# Altium PCB mainboard.PcbDoc (part 6 of 7)
Units mm, origin at the board's own origin, x right, y up, seen from the top; angles counter-clockwise.
Board outline 298.75 x 332.5 mm, 4 copper layers (Top, Ground, Power, Bottom), stack 0.844 mm thick; 349 components, 403 nets, 3466 pads, 640 vias.
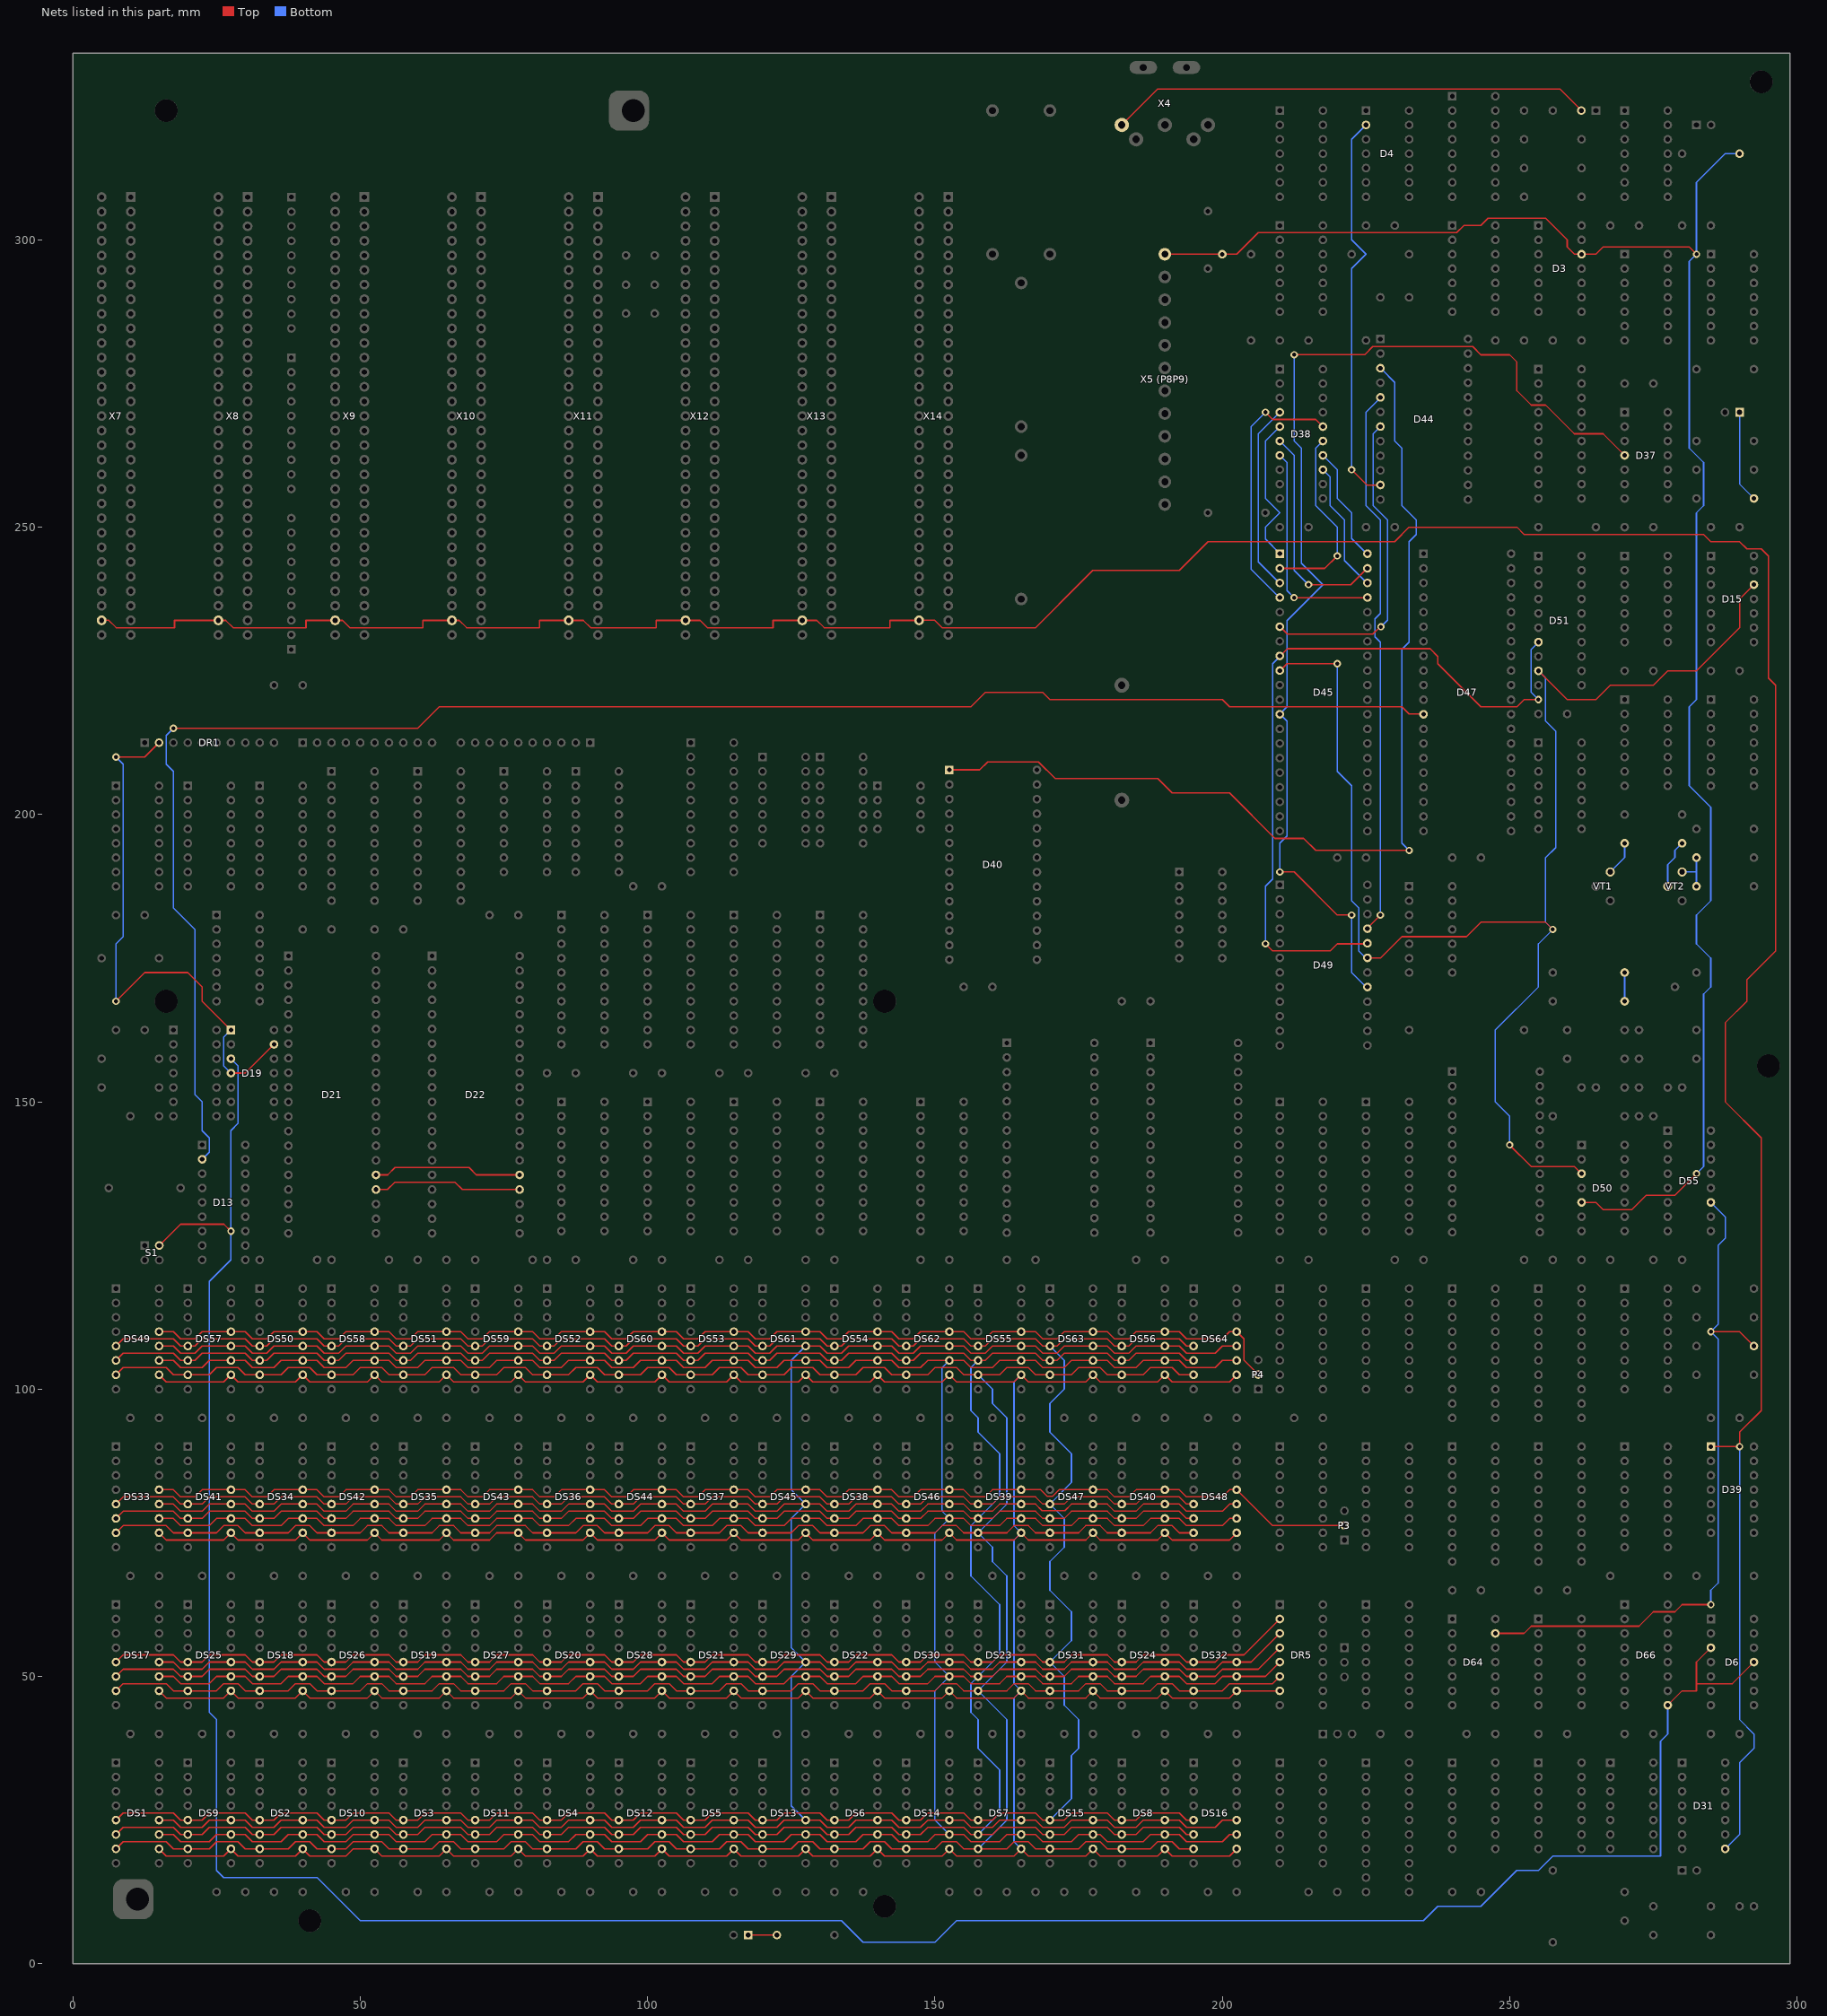
[diagram p8: the nets of this part, all layers, seen from the top]

## Via types
v1: diameter 1.27, hole 0.711, Top to Bottom, tented both sides, 640 vias

## Nets (pads, with @x,y where several pads share a name; then routed paths per layer and width w, separated by ;. In a path a pad name is that pad's centre, name@x,y a point inside that pad or via, vN(x,y) a via of type N, cw(c..) or ccw(c..) an arc to the next point about the centre after c; other vN are vias at no path point) (continued)
NetDS33_13: DS33.13 DS34.13 DS35.13 DS36.13 DS37.13 DS38.13 DS39.13 DS40.13 DS41.13 DS42.13 DS43.13 DS44.13 DS45.13 DS46.13 DS47.13 DS48.13 P3.2 | length 224.3
  Top w0.254: DS33.13@14.998,82.5 17.498,82.5 18.748,81.25 21.248,81.25 22.498,82.5 DS41.13@27.498,82.5 29.998,82.5 31.248,81.25 33.748,81.25 34.998,82.5 DS34.13@39.998,82.5 42.498,82.5 43.748,81.25 46.248,81.25 47.498,82.5 DS42.13@52.498,82.5 54.998,82.5 56.248,81.25 58.748,81.25 59.998,82.5 DS35.13@64.998,82.5 67.498,82.5 68.748,81.25 71.248,81.25 72.498,82.5 DS43.13@77.498,82.5 79.998,82.5 81.248,81.25 83.748,81.25 84.998,82.5 DS36.13@89.998,82.5 92.498,82.5 93.748,81.25 96.248,81.25 97.498,82.5 DS44.13@102.498,82.5 104.998,82.5 106.248,81.25 108.748,81.25 109.998,82.5 DS37.13@114.998,82.5 117.498,82.5 118.748,81.25 121.248,81.25 122.498,82.5 DS45.13@127.498,82.5 129.998,82.5 131.248,81.25 133.748,81.25 134.998,82.5 DS38.13@139.998,82.5 142.498,82.5 143.748,81.25 146.248,81.25 147.498,82.5 DS46.13@152.498,82.5 154.998,82.5 156.248,81.25 158.748,81.25 159.998,82.5 DS39.13@164.998,82.5 168.399,82.5 169.53,81.369 170.466,81.369 171.597,82.5 DS47.13@177.498,82.5 179.998,82.5 181.248,81.25 183.748,81.25 184.998,82.5 DS40.13@189.998,82.5 192.498,82.5 193.748,81.25 199.998,81.25 201.248,82.5 DS48.13@202.498,82.5 208.748,76.25 220,76.25 P3.2@221.25,76.25
NetDS49_13: DS49.13 DS50.13 DS51.13 DS52.13 DS53.13 DS54.13 DS55.13 DS56.13 DS57.13 DS58.13 DS59.13 DS60.13 DS61.13 DS62.13 DS63.13 DS64.13 P4.2 | length 212
  Top w0.254: DS49.13@14.998,110 17.498,110 18.748,108.75 21.248,108.75 22.498,110 DS57.13@27.498,110 29.998,110 31.248,108.75 33.748,108.75 34.998,110 42.498,110 43.748,108.75 46.248,108.75 47.498,110 DS58.13@52.498,110 54.998,110 56.248,108.75 58.748,108.75 59.998,110 DS51.13@64.998,110 67.498,110 68.748,108.75 71.248,108.75 72.498,110 DS59.13@77.498,110 79.998,110 81.248,108.75 83.748,108.75 84.998,110 DS52.13@89.998,110 92.498,110 93.748,108.75 96.248,108.75 97.498,110 DS60.13@102.498,110 104.998,110 106.248,108.75 108.748,108.75 109.998,110 DS53.13@114.998,110 117.498,110 118.748,108.75 121.248,108.75 122.498,110 DS61.13@127.498,110 129.998,110 131.248,108.75 133.748,108.75 134.998,110 DS54.13@139.998,110 142.498,110 143.748,108.75 146.248,108.75 147.498,110 DS62.13@152.498,110 154.998,110 156.248,108.75 158.748,108.75 159.998,110 DS55.13@164.998,110 167.498,110 168.748,108.75 171.248,108.75 172.498,110 DS63.13@177.498,110 179.998,110 181.248,108.75 183.748,108.75 184.998,110 DS56.13@189.998,110 192.498,110 193.748,108.75 199.998,108.75 201.248,110 DS64.13@202.498,110 203.748,108.75 203.748,105.04 P4.2@206.248,102.54
NetR18_1: R18.1 VT2.C | length 8.5
  Bottom w0.254: VT2.C@277.498,187.5 277.498,191.25 278.748,192.5 278.748,193.75 R18.1@279.998,195
NetR18_2: R18.2 VT1.B | length 6
  Bottom w0.254: VT1.B@267.498,190 269.998,192.5 R18.2@269.998,195
NetR19_2: R19.2 X2(SPEAKER).1 | length 16
  Bottom w0.254: 289.998,270 289.998,257.5 R19.2@292.498,255
NetR20_1: R20.1 R21.1 VT2.B | length 7.5
  Bottom w0.254: VT2.B@279.998,190 282.498,190 ; R21.1@282.498,187.5 R20.1@282.498,192.5
NetR37_1: "POWER LED.1" R37.1 | length 5
  Top w0.254: 117.498,5 R37.1@122.498,5
NetVD1_A: VD1.A VD2.K | length 5
  Bottom w0.254: VD1.A@269.998,167.5 VD2.K@269.998,172.5
NetX3_2: X3(KEYBLOCK).2 X4.1 | length 84.1
  Top w0.254: X4.1@182.498,320 188.748,326.25 258.748,326.25 262.458,322.54 262.458,322.5
NMIS/: D4.2 D44.11 | length 69.3
  Top w0.254: v1(222.498,260) 225.196,257.302 227.3,257.302 D44.11@227.498,257.5
  Bottom w0.254: v1(222.498,260) 222.498,295 224.998,297.5 222.498,300 222.498,317.5 D4.2@224.998,320
OSC: D31.8 D39.1 X7.61 X8.61 X9.61 X10.61 X11.61 X12.61 X13.61 X14.61 | length 553.8
  Top w0.254: X7.61@4.998,233.79 6.261,233.79 7.535,232.515 17.695,232.515 17.695,233.785 26.585,233.785 27.855,232.515 40.555,232.515 40.555,233.785 46.905,233.785 48.175,232.515 60.875,232.515 60.875,233.785 67.225,233.785 68.495,232.515 81.195,232.515 81.195,233.785 88.815,233.785 90.085,232.515 101.515,232.515 101.515,233.785 109.135,233.785 110.405,232.515 121.835,232.515 121.835,233.785 129.455,233.785 130.725,232.515 142.155,232.515 142.155,233.785 X14.61@147.233,233.785 ; X14.61@147.238,233.79 149.96,233.79 151.25,232.5 167.5,232.5 171.586,236.586 171.586,236.629 177.457,242.5 192.5,242.5 197.5,247.5 230,247.5 232.5,250 251.25,250 252.5,248.75 283.75,248.75 285,247.5 290,247.5 291.25,246.25 293.75,246.25 295,245 295,223.75 296.25,222.5 296.25,176.25 291.25,171.25 291.25,167.5 287.5,163.75 287.5,150 293.75,143.75 293.75,96.25 290,92.5 v1@290,90.002 ; D39.1@284.998,90 v1(289.998,90)
  Bottom w0.254: D31.8@287.498,20 289.998,22.5 289.998,35 292.498,37.5 292.498,40 289.998,42.5 v1(289.998,90)
OSC24: D6.3 D6.11 D19.3 D66.9 S1.2 | length 474.4
  Top w0.254: S1.2@15.038,125 18.748,128.71 26.288,128.71 v1(27.498,127.5) ; D66.9@277.498,45 279.998,47.5 282.498,47.5 282.498,48.75 ; D6.3@284.998,55 282.498,52.5 282.498,48.75 ; D6.11@292.498,52.5 288.748,48.75 282.498,48.75
  Bottom w0.254: D19.3@27.498,157.5 28.748,156.25 28.748,146.25 27.498,145 v1(27.498,127.5) 27.498,122.5 23.748,118.75 23.748,43.75 24.998,42.5 24.998,16.25 26.248,15 42.5,15 50,7.5 133.75,7.5 137.5,3.75 149.998,3.75 153.748,7.5 234.998,7.5 237.498,10 244.998,10 251.248,16.25 254.998,16.25 257.498,18.75 276.248,18.75 276.248,38.75 277.498,40 D66.9@277.498,45
OUT2: D37.4 D45.12 D49.17 | length 194.2
  Top w0.254: v1(209.998,190) 212.498,190 219.998,182.5 v1(222.498,182.5) ; v1(212.498,280) 212.533,280.035 224.79,280.035 226.187,281.432 243.568,281.432 245,280 250,280 251.25,278.75 251.25,273.75 253.75,271.25 256.25,271.25 261.25,266.25 266.25,266.25 D37.4@269.998,262.502
  Bottom w0.254: v1(209.998,190) 209.998,195 211.248,196.25 211.248,216.25 209.998,217.5 211.248,218.75 211.248,233.75 217.498,240 213.748,243.75 213.748,263.75 212.498,265 v1(212.498,280) ; v1(222.498,182.5) 222.498,172.5 D49.17@224.998,170
PA0: D38.16 D45.4 | length 46.6
  Top w0.254: v1(207.498,270) 208.748,268.75 216.248,268.75 D38.16@217.498,267.5
  Bottom w0.254: v1(207.498,270) 204.998,267.5 204.998,242.677 209.998,237.677 D45.4@209.998,237.5
PA1: D38.4 D45.3 | length 33.1
  Bottom w0.254: D45.3@209.998,240 209.998,240.217 206.248,243.967 206.248,266.25 D38.4@209.998,270
PA2: D38.15 D45.2 | length 33.1
  Top w0.254: D45.2@209.998,242.5 210.322,242.824 217.822,242.824 v1(219.998,245)
  Bottom w0.254: D38.15@217.498,265 216.248,263.75 216.248,253.75 219.998,250 v1(219.998,245)
PA3: D38.5 D45.1 | length 26.6
  Bottom w0.254: D45.1@209.998,245 209.998,245.424 207.498,247.924 207.498,250 209.998,252.5 207.498,255 207.498,265 D38.5@209.998,267.5
PA4: D38.14 D45.40 | length 20.6
  Bottom w0.254: D38.14@217.498,262.5 219.998,260 219.998,255 222.498,252.5 222.498,248.037 224.998,245.537 D45.40@224.998,245
PA5: D38.6 D45.39 | length 38.1
  Top w0.254: v1(214.998,240) 222.347,240 224.847,242.5 D45.39@224.998,242.5
  Bottom w0.254: D38.6@209.998,265 212.498,262.5 212.498,242.5 v1(214.998,240)
PA6: D38.13 D45.38 | length 23.1
  Bottom w0.254: D38.13@217.498,260 218.748,258.75 218.748,253.75 221.248,251.25 221.248,244.207 224.998,240.457 D45.38@224.998,240
PA7: D38.7 D45.37 | length 38.4
  Top w0.254: v1(212.471,237.744) 224.754,237.744 D45.37@224.998,237.5
  Bottom w0.254: D38.7@209.998,262.5 211.248,261.25 211.248,238.967 v1(212.471,237.744)
PADR0: D15.12 D45.9 D49.19 D50.3 D51.9 | length 255
  Top w0.254: D45.9@209.998,225 211.248,226.25 v1(219.998,226.25) ; D49.19@224.998,175 225.004,175.006 227.504,175.006 231.248,178.75 242.498,178.75 244.998,181.25 256.248,181.25 v1(257.498,180) ; v1(249.998,142.5) 253.748,138.75 261.248,138.75 D50.3@262.498,137.5 ; D51.9@254.998,225 259.998,220 264.998,220 267.498,222.5 274.998,222.5 277.498,225 282.498,225 289.998,232.5 289.998,237.5 D15.12@292.498,240
  Bottom w0.254: v1(219.998,226.25) 219.998,207.5 222.498,205 222.498,185 223.748,183.75 223.748,176.25 D49.19@224.998,175 ; v1(249.998,142.5) 249.998,147.5 247.498,150 247.498,162.5 254.998,170 254.998,177.5 v1(257.498,180) 256.248,181.25 256.248,192.5 258.006,194.258 258.006,214.492 256.248,216.25 256.248,223.75 D51.9@254.998,225
PADR1: D45.8 D49.20 D51.7 | length 131.6
  Top w0.254: v1(207.498,177.5) 208.722,176.276 218.774,176.276 219.998,177.5 D49.20@224.998,177.5 ; D45.8@209.998,227.5 211.352,228.854 236.144,228.854 237.498,227.5 237.498,226.252 245,218.75 251.25,218.75 252.498,219.998 252.498,220 v1(254.998,220)
  Bottom w0.254: v1(207.498,177.5) 207.498,187.5 208.748,188.75 208.748,226.25 D45.8@209.998,227.5 ; v1(254.998,220) 253.748,221.25 253.748,228.75 D51.7@254.998,230
PCLK: D13.2 D47.12 | length 300.8
  Top w0.254: v1(17.498,215) 59.998,215 63.748,218.75 156.248,218.75 158.748,221.25 168.748,221.25 169.998,220 199.998,220 201.248,218.75 231.25,218.75 232.5,217.5 D47.12@234.998,217.5
  Bottom w0.254: v1(17.498,215) 16.248,213.75 16.248,208.75 17.498,207.5 17.498,183.75 21.248,180 21.248,151.25 22.498,150 22.498,145 23.748,143.75 23.748,141.25 D13.2@22.498,140
PGOOD: "X5 (P8P9).1" C133.1 D3.12 D50.5 R35.1 | length 311.9
  Top w0.254: 189.998,297.5 C133.1@199.998,297.5 202.5,297.5 206.25,301.25 240.787,301.25 242.037,302.5 245,302.5 246.25,303.75 256.25,303.75 260,300 260,298.75 261.25,297.5 D3.12@262.498,297.5 264.998,297.5 266.248,298.75 281.248,298.75 v1(282.498,297.5) ; D50.5@262.498,132.5 265,132.5 266.25,131.25 271.25,131.25 273.75,133.75 278.75,133.75 282.5,137.5 v1(282.498,137.5)
  Bottom w0.254: v1(282.498,137.5) 283.748,138.75 283.748,168.75 284.998,170 284.998,175 282.498,177.5 282.498,182.5 284.998,185 284.998,201.25 281.248,205 281.248,218.75 282.498,220 282.498,252.5 283.748,253.75 283.748,261.25 281.248,263.75 281.248,296.25 v1(282.498,297.5) 282.498,310 287.498,315 R35.1@289.998,315
PICS/: D40.1 D44.3 | length 175.1
  Top w0.254: D40.1@152.498,207.5 152.77,207.772 157.772,207.772 159.169,209.169 168.021,209.169 170.94,206.25 188.75,206.25 191.25,203.75 201.25,203.75 209.166,195.834 214.166,195.834 216.25,193.75 v1(232.5,193.75)
  Bottom w0.254: D44.3@227.498,277.5 227.706,277.5 229.998,275.208 229.998,265.002 231.25,263.75 231.25,253.75 233.75,251.25 233.75,248.75 232.5,247.5 232.5,230 231.25,228.75 231.25,195 v1(232.5,193.75)
PITS/: D44.5 D49.21 | length 96.4
  Top w0.254: D49.21@224.998,180 v1(227.498,182.5)
  Bottom w0.254: v1(227.498,182.5) 227.498,230 226.568,230.93 226.568,234.07 227.498,235 227.498,251.25 224.998,253.75 224.998,270 D44.5@227.498,272.5
PPIS/: D44.7 D45.6 | length 55.4
  Top w0.254: D45.6@209.998,232.5 210.222,232.5 211.328,231.394 226.187,231.394 227.457,232.664 v1(227.584,232.664)
  Bottom w0.254: D44.7@227.498,267.5 226.248,266.25 226.248,253.75 228.748,251.25 228.748,233.828 v1(227.584,232.664)
PROM/: D55.11 D64.13 R31.1 | length 121.2
  Top w0.254: D64.13@247.498,57.5 252.498,57.5 253.748,58.75 272.498,58.75 274.998,61.25 278.748,61.25 279.998,62.5 v1(284.998,62.5) ; v1(284.998,110) 289.998,110 R31.1@292.498,107.5
  Bottom w0.254: v1(284.998,62.5) 284.998,65 286.248,66.25 286.248,108.75 v1(284.998,110) 286.248,111.25 286.248,125 287.498,126.25 287.498,130 D55.11@284.998,132.5
PULUP: D19.1 D19.4 D19.13 DR1.2 | length 97.9
  Top w0.254: v1(7.498,167.5) 12.498,172.5 19.998,172.5 22.498,170 22.498,167.5 D19.1@27.498,162.5 ; v1(7.498,210) 12.498,210 DR1.2@14.998,212.5 ; D19.4@27.498,155 30,155 D19.13@34.998,159.998
  Bottom w0.254: v1(7.498,167.5) 7.498,177.5 8.748,178.75 8.748,208.75 v1(7.498,210) ; D19.4@27.498,155 26.248,156.25 26.248,161.25 D19.1@27.498,162.5
QS0: D21.25 D22.25 | length 26.2
  Top w0.254: D21.25@52.498,137.5 52.711,137.287 54.785,137.287 56.055,138.557 68.941,138.557 70.211,137.287 77.285,137.287 D22.25@77.498,137.5
QS1: D21.24 D22.24 | length 26.3
  Top w0.254: D21.24@52.498,135 52.751,134.747 54.745,134.747 56.015,136.017 66.481,136.017 67.751,134.747 77.245,134.747 D22.24@77.498,135
RA0: DR5.2 DS1.5 DS2.5 DS3.5 DS4.5 DS5.5 DS6.5 DS7.5 DS8.5 DS9.5 DS10.5 DS11.5 DS12.5 DS13.5 DS14.5 DS15.5 DS16.5 DS17.5 DS18.5 DS19.5 DS20.5 DS21.5 DS22.5 DS23.5 DS24.5 DS25.5 DS26.5 DS27.5 DS28.5 DS29.5 DS30.5 DS31.5 DS32.5 DS33.5 DS34.5 DS35.5 DS36.5 DS37.5 DS38.5 DS39.5 DS40.5 DS41.5 DS42.5 DS43.5 DS44.5 DS45.5 DS46.5 DS47.5 DS48.5 DS49.5 DS50.5 DS51.5 DS52.5 DS53.5 DS54.5 DS55.5 DS56.5 DS57.5 DS58.5 DS59.5 DS60.5 DS61.5 DS62.5 DS63.5 DS64.5 | length 927.2
  Top w0.254: DS1.5@7.498,25 8.748,26.25 17.498,26.25 18.748,25 DS9.5@19.998,25 22.498,25 23.748,26.25 29.998,26.25 31.248,25 DS2.5@32.498,25 34.998,25 36.248,26.25 42.498,26.25 43.748,25 DS10.5@44.998,25 47.498,25 48.748,26.25 54.998,26.25 56.248,25 DS3.5@57.498,25 59.998,25 61.248,26.25 67.498,26.25 68.748,25 DS11.5@69.998,25 72.498,25 73.748,26.25 79.998,26.25 81.248,25 DS4.5@82.498,25 84.998,25 86.248,26.25 92.498,26.25 93.748,25 DS12.5@94.998,25 97.498,25 98.748,26.25 104.998,26.25 106.248,25 DS5.5@107.498,25 109.998,25 111.248,26.25 117.498,26.25 118.748,25 DS13.5@119.998,25 122.498,25 123.748,26.25 129.998,26.25 131.248,25 DS6.5@132.498,25 134.998,25 136.248,26.25 142.498,26.25 143.748,25 DS14.5@144.998,25 147.498,25 148.748,26.25 154.998,26.25 156.248,25 DS7.5@157.498,25 159.998,25 161.248,26.25 167.498,26.25 168.748,25 DS15.5@169.998,25 172.498,25 173.748,26.25 179.998,26.25 181.248,25 DS8.5@182.498,25 184.998,25 186.248,26.25 192.498,26.25 193.748,25 DS16.5@194.998,25 ; DS17.5@7.498,52.5 8.748,53.75 17.498,53.75 18.748,52.5 DS25.5@19.998,52.5 22.498,52.5 23.748,53.75 29.998,53.75 31.248,52.5 DS18.5@32.498,52.5 34.998,52.5 36.248,53.75 42.498,53.75 43.748,52.5 DS26.5@44.998,52.5 47.498,52.5 48.748,53.75 54.998,53.75 56.248,52.5 DS19.5@57.498,52.5 59.998,52.5 61.248,53.75 67.498,53.75 68.748,52.5 DS27.5@69.998,52.5 72.498,52.5 73.748,53.75 79.998,53.75 81.248,52.5 DS20.5@82.498,52.5 84.998,52.5 86.248,53.75 92.498,53.75 93.748,52.5 DS28.5@94.998,52.5 97.498,52.5 98.748,53.75 104.998,53.75 106.248,52.5 DS21.5@107.498,52.5 109.998,52.5 111.248,53.75 117.498,53.75 118.748,52.5 DS29.5@119.998,52.5 122.498,52.5 123.748,53.75 129.998,53.75 131.248,52.5 DS22.5@132.498,52.5 134.998,52.5 136.248,53.75 142.498,53.75 143.748,52.5 DS30.5@144.998,52.5 147.498,52.5 148.748,53.75 154.998,53.75 156.248,52.5 DS23.5@157.498,52.5 159.998,52.5 161.248,53.75 167.498,53.75 168.748,52.5 DS31.5@169.998,52.5 172.498,52.5 173.748,53.75 179.998,53.75 181.248,52.5 DS24.5@182.498,52.5 184.998,52.5 186.248,53.75 192.498,53.75 193.748,52.5 DS32.5@194.998,52.5 198.748,52.5 199.998,53.75 203.748,53.75 DR5.2@209.998,60 ; DS33.5@7.498,80 8.748,81.25 17.498,81.25 18.748,80 DS41.5@19.998,80 22.498,80 23.748,81.25 29.998,81.25 31.248,80 DS34.5@32.498,80 34.998,80 36.248,81.25 42.498,81.25 43.748,80 DS42.5@44.998,80 47.498,80 48.748,81.25 54.998,81.25 56.248,80 DS35.5@57.498,80 59.998,80 61.248,81.25 67.498,81.25 68.748,80 DS43.5@69.998,80 72.498,80 73.748,81.25 79.998,81.25 81.248,80 DS36.5@82.498,80 84.998,80 86.248,81.25 92.498,81.25 93.748,80 DS44.5@94.998,80 97.498,80 98.748,81.25 104.998,81.25 106.248,80 DS37.5@107.498,80 109.998,80 111.248,81.25 117.498,81.25 118.748,80 DS45.5@119.998,80 122.498,80 123.748,81.25 129.998,81.25 131.248,80 DS38.5@132.498,80 134.998,80 136.248,81.25 142.498,81.25 143.748,80 DS46.5@144.998,80 147.498,80 148.748,81.25 154.998,81.25 156.248,80 DS39.5@157.498,80 159.998,80 161.248,81.25 167.498,81.25 168.748,80 DS47.5@169.998,80 172.498,80 173.748,81.25 179.998,81.25 181.248,80 DS40.5@182.498,80 184.998,80 186.248,81.25 192.498,81.25 193.748,80 DS48.5@194.998,80 ; DS49.5@7.498,107.5 8.748,108.75 17.498,108.75 18.748,107.5 DS57.5@19.998,107.5 21.248,107.5 22.498,108.75 29.998,108.75 31.248,107.5 33.748,107.5 34.998,108.75 42.498,108.75 43.748,107.5 DS58.5@44.998,107.5 46.248,107.5 47.498,108.75 54.998,108.75 56.248,107.5 DS51.5@57.498,107.5 58.748,107.5 59.998,108.75 67.498,108.75 68.748,107.5 DS59.5@69.998,107.5 71.248,107.5 72.498,108.75 79.998,108.75 81.248,107.5 DS52.5@82.498,107.5 83.748,107.5 84.998,108.75 92.498,108.75 93.748,107.5 DS60.5@94.998,107.5 96.248,107.5 97.498,108.75 104.998,108.75 106.248,107.5 DS53.5@107.498,107.5 108.748,107.5 109.998,108.75 117.498,108.75 118.748,107.5 DS61.5@119.998,107.5 121.248,107.5 122.498,108.75 129.998,108.75 131.248,107.5 DS54.5@132.498,107.5 133.748,107.5 134.998,108.75 142.498,108.75 143.748,107.5 DS62.5@144.998,107.5 146.248,107.5 147.498,108.75 154.998,108.75 156.248,107.5 DS55.5@157.498,107.5 158.748,107.5 159.998,108.75 167.498,108.75 168.748,107.5 DS63.5@169.998,107.5 171.248,107.5 172.498,108.75 179.998,108.75 181.248,107.5 DS56.5@182.498,107.5 183.748,107.5 184.998,108.75 192.498,108.75 193.748,107.5 DS64.5@194.998,107.5
  Bottom w0.254: DS15.5@169.998,25 173.748,28.75 173.748,36.25 174.998,37.5 174.998,42.5 172.498,45 172.498,50 DS31.5@169.998,52.5 173.748,56.25 173.748,61.25 169.998,65 169.998,70 172.498,72.5 172.498,77.5 DS47.5@169.998,80 173.748,83.75 173.748,88.75 169.998,92.5 169.998,97.5 172.498,100 172.498,105 DS63.5@169.998,107.5
RA1: DR5.6 DS1.7 DS2.7 DS3.7 DS4.7 DS5.7 DS6.7 DS7.7 DS8.7 DS9.7 DS10.7 DS11.7 DS12.7 DS13.7 DS14.7 DS15.7 DS16.7 DS17.7 DS18.7 DS19.7 DS20.7 DS21.7 DS22.7 DS23.7 DS24.7 DS25.7 DS26.7 DS27.7 DS28.7 DS29.7 DS30.7 DS31.7 DS32.7 DS33.7 DS34.7 DS35.7 DS36.7 DS37.7 DS38.7 DS39.7 DS40.7 DS41.7 DS42.7 DS43.7 DS44.7 DS45.7 DS46.7 DS47.7 DS48.7 DS49.7 DS50.7 DS51.7 DS52.7 DS53.7 DS54.7 DS55.7 DS56.7 DS57.7 DS58.7 DS59.7 DS60.7 DS61.7 DS62.7 DS63.7 DS64.7 | length 923.1
  Top w0.254: DS1.7@7.498,20 8.748,21.25 16.248,21.25 17.498,20 DS9.7@19.998,20 23.748,20 24.998,21.25 28.748,21.25 29.998,20 DS2.7@32.498,20 37.498,20 38.748,21.25 41.248,21.25 42.498,20 DS10.7@44.998,20 47.498,20 48.748,21.25 53.748,21.25 54.998,20 DS3.7@57.498,20 62.498,20 63.748,21.25 66.248,21.25 67.498,20 DS11.7@69.998,20 74.998,20 76.248,21.25 78.748,21.25 79.998,20 DS4.7@82.498,20 87.498,20 88.748,21.25 91.248,21.25 92.498,20 DS12.7@94.998,20 99.998,20 101.248,21.25 103.748,21.25 104.998,20 DS5.7@107.498,20 112.498,20 113.748,21.25 116.248,21.25 117.498,20 DS13.7@119.998,20 124.998,20 126.248,21.25 128.748,21.25 129.998,20 DS6.7@132.498,20 137.498,20 138.748,21.25 141.248,21.25 142.498,20 DS14.7@144.998,20 149.998,20 151.248,21.25 153.748,21.25 154.998,20 DS7.7@157.498,20 162.498,20 163.748,21.25 166.248,21.25 167.498,20 DS15.7@169.998,20 174.998,20 176.248,21.25 178.748,21.25 179.998,20 DS8.7@182.498,20 187.498,20 188.748,21.25 191.248,21.25 192.498,20 DS16.7@194.998,20 ; DS17.7@7.498,47.5 8.748,48.75 16.248,48.75 17.498,47.5 DS25.7@19.998,47.5 24.998,47.5 26.248,48.75 28.748,48.75 29.998,47.5 DS18.7@32.498,47.5 37.498,47.5 38.748,48.75 41.248,48.75 42.498,47.5 DS26.7@44.998,47.5 49.998,47.5 51.248,48.75 53.748,48.75 54.998,47.5 DS19.7@57.498,47.5 62.498,47.5 63.748,48.75 66.248,48.75 67.498,47.5 DS27.7@69.998,47.5 74.998,47.5 76.248,48.75 78.748,48.75 79.998,47.5 DS20.7@82.498,47.5 87.498,47.5 88.748,48.75 91.248,48.75 92.498,47.5 DS28.7@94.998,47.5 99.998,47.5 101.248,48.75 103.748,48.75 104.998,47.5 DS21.7@107.498,47.5 112.498,47.5 113.748,48.75 116.248,48.75 117.498,47.5 DS29.7@119.998,47.5 124.998,47.5 126.248,48.75 128.748,48.75 129.998,47.5 DS22.7@132.498,47.5 137.498,47.5 138.748,48.75 141.248,48.75 142.498,47.5 DS30.7@144.998,47.5 149.998,47.5 151.248,48.75 153.748,48.75 154.998,47.5 DS23.7@157.498,47.5 162.498,47.5 163.748,48.75 166.248,48.75 167.498,47.5 DS31.7@169.998,47.5 174.998,47.5 176.248,48.75 178.748,48.75 179.998,47.5 DS24.7@182.498,47.5 187.498,47.5 188.748,48.75 191.248,48.75 192.498,47.5 DS32.7@194.998,47.5 199.998,47.5 201.248,48.75 208.748,48.75 DR5.6@209.998,50 ; DS33.7@7.498,75 8.748,76.25 16.248,76.25 17.498,75 DS41.7@19.998,75 24.998,75 26.248,76.25 28.748,76.25 29.998,75 DS34.7@32.498,75 37.498,75 38.748,76.25 41.248,76.25 42.498,75 DS42.7@44.998,75 49.998,75 51.248,76.25 53.748,76.25 54.998,75 DS35.7@57.498,75 62.498,75 63.748,76.25 66.248,76.25 67.498,75 DS43.7@69.998,75 72.498,75 73.748,76.25 78.748,76.25 79.998,75 DS36.7@82.498,75 87.498,75 88.748,76.25 91.248,76.25 92.498,75 DS44.7@94.998,75 99.998,75 101.248,76.25 103.748,76.25 104.998,75 DS37.7@107.498,75 112.498,75 113.748,76.25 116.248,76.25 117.498,75 DS45.7@119.998,75 124.998,75 126.248,76.25 128.748,76.25 129.998,75 DS38.7@132.498,75 137.498,75 138.748,76.25 141.248,76.25 142.498,75 DS46.7@144.998,75 149.998,75 151.248,76.25 153.748,76.25 154.998,75 DS39.7@157.498,75 162.498,75 163.748,76.25 166.248,76.25 167.498,75 DS47.7@169.998,75 174.998,75 176.248,76.25 178.748,76.25 179.998,75 DS40.7@182.498,75 187.498,75 188.748,76.25 191.248,76.25 192.498,75 DS48.7@194.998,75 ; DS49.7@7.498,102.5 8.748,103.75 16.248,103.75 17.498,102.5 DS57.7@19.998,102.5 23.748,102.5 24.998,103.75 28.748,103.75 29.998,102.5 36.248,102.5 37.498,103.75 41.248,103.75 42.498,102.5 DS58.7@44.998,102.5 48.748,102.5 49.998,103.75 53.748,103.75 54.998,102.5 DS51.7@57.498,102.5 61.248,102.5 62.498,103.75 66.248,103.75 67.498,102.5 DS59.7@69.998,102.5 73.748,102.5 74.998,103.75 78.748,103.75 79.998,102.5 DS52.7@82.498,102.5 86.248,102.5 87.498,103.75 91.248,103.75 92.498,102.5 DS60.7@94.998,102.5 98.748,102.5 99.998,103.75 103.748,103.75 104.998,102.5 DS53.7@107.498,102.5 111.248,102.5 112.498,103.75 116.248,103.75 117.498,102.5 DS61.7@119.998,102.5 123.748,102.5 124.998,103.75 128.748,103.75 129.998,102.5 DS54.7@132.498,102.5 136.248,102.5 137.498,103.75 141.248,103.75 142.498,102.5 DS62.7@144.998,102.5 148.748,102.5 149.998,103.75 153.748,103.75 154.998,102.5 DS55.7@157.498,102.5 161.248,102.5 162.498,103.75 166.248,103.75 167.498,102.5 DS63.7@169.998,102.5 173.748,102.5 174.998,103.75 178.748,103.75 179.998,102.5 DS56.7@182.498,102.5 186.248,102.5 187.498,103.75 191.248,103.75 192.498,102.5 DS64.7@194.998,102.5
  Bottom w0.254: DS7.7@157.498,20 162.498,25 162.498,42.5 DS23.7@157.498,47.5 162.498,52.5 162.498,67.5 159.998,70 159.998,72.5 DS39.7@157.498,75 162.498,80 162.498,95 159.998,97.5 159.998,100 DS55.7@157.498,102.5
RA2: DR5.4 DS1.6 DS2.6 DS3.6 DS4.6 DS5.6 DS6.6 DS7.6 DS8.6 DS9.6 DS10.6 DS11.6 DS12.6 DS13.6 DS14.6 DS15.6 DS16.6 DS17.6 DS18.6 DS19.6 DS20.6 DS21.6 DS22.6 DS23.6 DS24.6 DS25.6 DS26.6 DS27.6 DS28.6 DS29.6 DS30.6 DS31.6 DS32.6 DS33.6 DS34.6 DS35.6 DS36.6 DS37.6 DS38.6 DS39.6 DS40.6 DS41.6 DS42.6 DS43.6 DS44.6 DS45.6 DS46.6 DS47.6 DS48.6 DS49.6 DS50.6 DS51.6 DS52.6 DS53.6 DS54.6 DS55.6 DS56.6 DS57.6 DS58.6 DS59.6 DS60.6 DS61.6 DS62.6 DS63.6 DS64.6 | length 924.1
  Top w0.254: DS1.6@7.498,22.5 8.748,23.75 17.498,23.75 18.748,22.5 DS9.6@19.998,22.5 22.498,22.5 23.748,23.75 29.998,23.75 31.248,22.5 DS2.6@32.498,22.5 34.998,22.5 36.248,23.75 42.498,23.75 43.748,22.5 DS10.6@44.998,22.5 47.498,22.5 48.748,23.75 54.998,23.75 56.248,22.5 DS3.6@57.498,22.5 59.998,22.5 61.248,23.75 67.498,23.75 68.748,22.5 DS11.6@69.998,22.5 72.498,22.5 73.748,23.75 79.998,23.75 81.248,22.5 DS4.6@82.498,22.5 84.998,22.5 86.248,23.75 92.498,23.75 93.748,22.5 DS12.6@94.998,22.5 97.498,22.5 98.748,23.75 104.998,23.75 106.248,22.5 DS5.6@107.498,22.5 109.998,22.5 111.248,23.75 117.498,23.75 118.748,22.5 DS13.6@119.998,22.5 122.498,22.5 123.748,23.75 129.998,23.75 131.248,22.5 DS6.6@132.498,22.5 134.998,22.5 136.248,23.75 142.498,23.75 143.748,22.5 DS14.6@144.998,22.5 147.498,22.5 148.748,23.75 154.998,23.75 156.248,22.5 DS7.6@157.498,22.5 159.998,22.5 161.248,23.75 167.498,23.75 168.748,22.5 DS15.6@169.998,22.5 172.498,22.5 173.748,23.75 179.998,23.75 181.248,22.5 DS8.6@182.498,22.5 184.998,22.5 186.248,23.75 192.498,23.75 193.748,22.5 DS16.6@194.998,22.5 ; DS17.6@7.498,50 8.748,51.25 17.498,51.25 18.748,50 DS25.6@19.998,50 22.498,50 23.748,51.25 29.998,51.25 31.248,50 DS18.6@32.498,50 34.998,50 36.248,51.25 42.498,51.25 43.748,50 DS26.6@44.998,50 47.498,50 48.748,51.25 54.998,51.25 56.248,50 DS19.6@57.498,50 59.998,50 61.248,51.25 67.498,51.25 68.748,50 DS27.6@69.998,50 72.498,50 73.748,51.25 79.998,51.25 81.248,50 DS20.6@82.498,50 84.998,50 86.248,51.25 92.498,51.25 93.748,50 DS28.6@94.998,50 97.498,50 98.748,51.25 104.998,51.25 106.248,50 DS21.6@107.498,50 109.998,50 111.248,51.25 117.498,51.25 118.748,50 DS29.6@119.998,50 122.498,50 123.748,51.25 129.998,51.25 131.248,50 DS22.6@132.498,50 134.998,50 136.248,51.25 142.498,51.25 143.748,50 DS30.6@144.998,50 147.498,50 148.748,51.25 154.998,51.25 156.248,50 DS23.6@157.498,50 159.998,50 161.248,51.25 167.498,51.25 168.748,50 DS31.6@169.998,50 172.498,50 173.748,51.25 179.998,51.25 181.248,50 DS24.6@182.498,50 184.998,50 186.248,51.25 192.498,51.25 193.748,50 DS32.6@194.998,50 198.748,50 199.998,51.25 206.248,51.25 DR5.4@209.998,55 ; DS33.6@7.498,77.5 8.748,78.75 17.498,78.75 18.748,77.5 DS41.6@19.998,77.5 22.498,77.5 23.748,78.75 29.998,78.75 31.248,77.5 DS34.6@32.498,77.5 34.998,77.5 36.248,78.75 42.498,78.75 43.748,77.5 DS42.6@44.998,77.5 47.498,77.5 48.748,78.75 54.998,78.75 56.248,77.5 DS35.6@57.498,77.5 59.998,77.5 61.248,78.75 67.498,78.75 68.748,77.5 DS43.6@69.998,77.5 72.498,77.5 73.748,78.75 79.998,78.75 81.248,77.5 DS36.6@82.498,77.5 84.998,77.5 86.248,78.75 92.498,78.75 93.748,77.5 DS44.6@94.998,77.5 97.498,77.5 98.748,78.75 104.998,78.75 106.248,77.5 DS37.6@107.498,77.5 109.998,77.5 111.248,78.75 117.498,78.75 118.748,77.5 DS45.6@119.998,77.5 122.498,77.5 123.748,78.75 129.998,78.75 131.248,77.5 DS38.6@132.498,77.5 134.998,77.5 136.248,78.75 142.498,78.75 143.748,77.5 DS46.6@144.998,77.5 147.498,77.5 148.748,78.75 154.998,78.75 156.248,77.5 DS39.6@157.498,77.5 159.998,77.5 161.248,78.75 167.498,78.75 168.748,77.5 DS47.6@169.998,77.5 172.498,77.5 173.748,78.75 179.998,78.75 181.248,77.5 DS40.6@182.498,77.5 184.998,77.5 186.248,78.75 192.498,78.75 193.748,77.5 DS48.6@194.998,77.5 ; DS49.6@7.498,105 8.748,106.25 17.498,106.25 18.748,105 DS57.6@19.998,105 21.248,105 22.498,106.25 29.998,106.25 31.248,105 33.748,105 34.998,106.25 42.498,106.25 43.748,105 DS58.6@44.998,105 46.248,105 47.498,106.25 54.998,106.25 56.248,105 DS51.6@57.498,105 58.748,105 59.998,106.25 67.498,106.25 68.748,105 DS59.6@69.998,105 71.248,105 72.498,106.25 79.998,106.25 81.248,105 DS52.6@82.498,105 83.748,105 84.998,106.25 92.498,106.25 93.748,105 DS60.6@94.998,105 96.248,105 97.498,106.25 104.998,106.25 106.248,105 DS53.6@107.498,105 108.748,105 109.998,106.25 117.498,106.25 118.748,105 DS61.6@119.998,105 121.248,105 122.498,106.25 129.998,106.25 131.248,105 DS54.6@132.498,105 133.748,105 134.998,106.25 142.498,106.25 143.748,105 DS62.6@144.998,105 146.248,105 147.498,106.25 154.998,106.25 156.248,105 DS55.6@157.498,105 158.748,105 159.998,106.25 167.498,106.25 168.748,105 DS63.6@169.998,105 171.248,105 172.498,106.25 179.998,106.25 181.248,105 DS56.6@182.498,105 183.748,105 184.998,106.25 192.498,106.25 193.748,105 DS64.6@194.998,105
  Bottom w0.254: DS7.6@157.498,22.5 161.248,26.25 161.248,33.75 157.498,37.5 157.498,42.5 156.248,43.75 156.248,48.75 DS23.6@157.498,50 161.248,53.75 161.248,62.5 156.248,67.5 156.248,76.25 DS39.6@157.498,77.5 161.248,81.25 161.248,88.75 157.498,92.5 157.498,95 156.248,96.25 156.248,103.75 DS55.6@157.498,105
RA3: DR5.3 DS1.12 DS2.12 DS3.12 DS4.12 DS5.12 DS6.12 DS7.12 DS8.12 DS9.12 DS10.12 DS11.12 DS12.12 DS13.12 DS14.12 DS15.12 DS16.12 DS17.12 DS18.12 DS19.12 DS20.12 DS21.12 DS22.12 DS23.12 DS24.12 DS25.12 DS26.12 DS27.12 DS28.12 DS29.12 DS30.12 DS31.12 DS32.12 DS33.12 DS34.12 DS35.12 DS36.12 DS37.12 DS38.12 DS39.12 DS40.12 DS41.12 DS42.12 DS43.12 DS44.12 DS45.12 DS46.12 DS47.12 DS48.12 DS49.12 DS50.12 DS51.12 DS52.12 DS53.12 DS54.12 DS55.12 DS56.12 DS57.12 DS58.12 DS59.12 DS60.12 DS61.12 DS62.12 DS63.12 DS64.12 | length 910.3
  Top w0.254: DS1.12@14.998,25 17.498,25 18.748,23.75 22.498,23.75 23.748,25 DS9.12@27.498,25 29.998,25 31.248,23.75 34.998,23.75 36.248,25 DS2.12@39.998,25 42.498,25 43.748,23.75 47.498,23.75 48.748,25 DS10.12@52.498,25 54.998,25 56.248,23.75 59.998,23.75 61.248,25 DS3.12@64.998,25 67.498,25 68.748,23.75 72.498,23.75 73.748,25 DS11.12@77.498,25 79.998,25 81.248,23.75 84.998,23.75 86.248,25 DS4.12@89.998,25 92.498,25 93.748,23.75 97.498,23.75 98.748,25 DS12.12@102.498,25 104.998,25 106.248,23.75 109.998,23.75 111.248,25 DS5.12@114.998,25 117.498,25 118.748,23.75 122.498,23.75 123.748,25 DS13.12@127.498,25 129.998,25 131.248,23.75 134.998,23.75 136.248,25 DS6.12@139.998,25 142.498,25 143.748,23.75 147.498,23.75 148.748,25 DS14.12@152.498,25 154.998,25 156.248,23.75 159.998,23.75 161.248,25 DS7.12@164.998,25 167.498,25 168.748,23.75 172.498,23.75 173.748,25 179.998,25 181.248,23.75 184.998,23.75 186.248,25 DS8.12@189.998,25 192.498,25 193.748,23.75 198.748,23.75 199.998,25 DS16.12@202.498,25 ; DS17.12@14.998,52.5 17.498,52.5 18.748,51.25 22.498,51.25 23.748,52.5 DS25.12@27.498,52.5 29.998,52.5 31.248,51.25 34.998,51.25 36.248,52.5 DS18.12@39.998,52.5 42.498,52.5 43.748,51.25 47.498,51.25 48.748,52.5 DS26.12@52.498,52.5 54.998,52.5 56.248,51.25 59.998,51.25 61.248,52.5 DS19.12@64.998,52.5 67.498,52.5 68.748,51.25 72.498,51.25 73.748,52.5 DS27.12@77.498,52.5 79.998,52.5 81.248,51.25 84.998,51.25 86.248,52.5 DS20.12@89.998,52.5 92.498,52.5 93.748,51.25 97.498,51.25 98.748,52.5 DS28.12@102.498,52.5 104.998,52.5 106.248,51.25 109.998,51.25 111.248,52.5 DS21.12@114.998,52.5 117.498,52.5 118.748,51.25 122.498,51.25 123.748,52.5 DS29.12@127.498,52.5 129.998,52.5 131.248,51.25 134.998,51.25 136.248,52.5 DS22.12@139.998,52.5 142.498,52.5 143.748,51.25 147.498,51.25 148.748,52.5 DS30.12@152.498,52.5 154.998,52.5 156.248,51.25 159.998,51.25 161.248,52.5 DS23.12@164.998,52.5 167.498,52.5 168.748,51.25 172.498,51.25 173.748,52.5 179.998,52.5 181.248,51.25 184.998,51.25 186.248,52.5 DS24.12@189.998,52.5 192.498,52.5 193.748,51.25 198.748,51.25 199.998,52.5 DS32.12@202.498,52.5 204.998,52.5 DR5.3@209.998,57.5 ; DS33.12@14.998,80 17.498,80 18.748,78.75 22.498,78.75 23.748,80 DS41.12@27.498,80 29.998,80 31.248,78.75 34.998,78.75 36.248,80 DS34.12@39.998,80 42.498,80 43.748,78.75 47.498,78.75 48.748,80 DS42.12@52.498,80 54.998,80 56.248,78.75 59.998,78.75 61.248,80 DS35.12@64.998,80 67.498,80 68.748,78.75 72.498,78.75 73.748,80 DS43.12@77.498,80 79.998,80 81.248,78.75 84.998,78.75 86.248,80 DS36.12@89.998,80 92.498,80 93.748,78.75 97.498,78.75 98.748,80 DS44.12@102.498,80 104.998,80 106.248,78.75 109.998,78.75 111.248,80 DS37.12@114.998,80 117.498,80 118.748,78.75 122.498,78.75 123.748,80 DS45.12@127.498,80 129.998,80 131.248,78.75 134.998,78.75 136.248,80 DS38.12@139.998,80 142.498,80 143.748,78.75 147.498,78.75 148.748,80 DS46.12@152.498,80 154.998,80 156.248,78.75 159.998,78.75 161.248,80 DS39.12@164.998,80 167.498,80 168.629,78.869 172.617,78.869 173.748,80 DS47.12@177.498,80 179.998,80 181.248,78.75 184.998,78.75 186.248,80 DS40.12@189.998,80 192.498,80 193.748,78.75 199.998,78.75 201.248,80 DS48.12@202.498,80 ; DS49.12@14.998,107.5 17.498,107.5 18.748,106.25 21.248,106.25 22.498,107.5 DS57.12@27.498,107.5 29.998,107.5 31.248,106.25 33.748,106.25 34.998,107.5 42.498,107.5 43.748,106.25 46.248,106.25 47.498,107.5 DS58.12@52.498,107.5 54.998,107.5 56.248,106.25 58.748,106.25 59.998,107.5 DS51.12@64.998,107.5 67.498,107.5 68.748,106.25 71.248,106.25 72.498,107.5 DS59.12@77.498,107.5 79.998,107.5 81.248,106.25 83.748,106.25 84.998,107.5 DS52.12@89.998,107.5 92.498,107.5 93.748,106.25 96.248,106.25 97.498,107.5 DS60.12@102.498,107.5 104.998,107.5 106.248,106.25 108.748,106.25 109.998,107.5 DS53.12@114.998,107.5 117.498,107.5 118.748,106.25 121.248,106.25 122.498,107.5 DS61.12@127.498,107.5 129.998,107.5 131.248,106.25 133.748,106.25 134.998,107.5 DS54.12@139.998,107.5 142.498,107.5 143.748,106.25 146.248,106.25 147.498,107.5 DS62.12@152.498,107.5 154.998,107.5 156.248,106.25 158.748,106.25 159.998,107.5 DS55.12@164.998,107.5 167.498,107.5 168.748,106.25 171.248,106.25 172.498,107.5 179.998,107.5 181.248,106.25 183.748,106.25 184.998,107.5 DS56.12@189.998,107.5 192.498,107.5 193.748,106.25 198.748,106.25 199.998,107.5 DS64.12@202.498,107.5
  Bottom w0.254: DS13.12@127.498,25 124.998,27.5 124.998,50 DS29.12@127.498,52.5 124.998,55 124.998,77.5 DS45.12@127.498,80 124.998,82.5 124.998,105 DS61.12@127.498,107.5
RA4: DR5.5 DS1.11 DS2.11 DS3.11 DS4.11 DS5.11 DS6.11 DS7.11 DS8.11 DS9.11 DS10.11 DS11.11 DS12.11 DS13.11 DS14.11 DS15.11 DS16.11 DS17.11 DS18.11 DS19.11 DS20.11 DS21.11 DS22.11 DS23.11 DS24.11 DS25.11 DS26.11 DS27.11 DS28.11 DS29.11 DS30.11 DS31.11 DS32.11 DS33.11 DS34.11 DS35.11 DS36.11 DS37.11 DS38.11 DS39.11 DS40.11 DS41.11 DS42.11 DS43.11 DS44.11 DS45.11 DS46.11 DS47.11 DS48.11 DS49.11 DS50.11 DS51.11 DS52.11 DS53.11 DS54.11 DS55.11 DS56.11 DS57.11 DS58.11 DS59.11 DS60.11 DS61.11 DS62.11 DS63.11 DS64.11 | length 908.3
  Top w0.254: DS1.11@14.998,22.5 17.498,22.5 18.748,21.25 23.748,21.25 24.998,22.5 DS9.11@27.498,22.5 29.998,22.5 31.248,21.25 36.248,21.25 37.498,22.5 DS2.11@39.998,22.5 42.498,22.5 43.748,21.25 47.498,21.25 48.748,22.5 DS10.11@52.498,22.5 54.998,22.5 56.248,21.25 61.248,21.25 62.498,22.5 DS3.11@64.998,22.5 67.498,22.5 68.748,21.25 73.748,21.25 74.998,22.5 DS11.11@77.498,22.5 79.998,22.5 81.248,21.25 86.248,21.25 87.498,22.5 DS4.11@89.998,22.5 92.498,22.5 93.748,21.25 98.748,21.25 99.998,22.5 DS12.11@102.498,22.5 104.998,22.5 106.248,21.25 111.248,21.25 112.498,22.5 DS5.11@114.998,22.5 117.498,22.5 118.748,21.25 123.748,21.25 124.998,22.5 DS13.11@127.498,22.5 129.998,22.5 131.248,21.25 136.248,21.25 137.498,22.5 DS6.11@139.998,22.5 142.498,22.5 143.748,21.25 148.748,21.25 149.998,22.5 DS14.11@152.498,22.5 154.998,22.5 156.248,21.25 161.248,21.25 162.498,22.5 DS7.11@164.998,22.5 167.498,22.5 168.748,21.25 173.748,21.25 174.998,22.5 DS15.11@177.498,22.5 178.748,22.5 179.998,21.25 186.248,21.25 187.498,22.5 DS8.11@189.998,22.5 192.498,22.5 193.748,21.25 199.998,21.25 201.248,22.5 DS16.11@202.498,22.5 ; DS17.11@14.998,50 17.498,50 18.748,48.75 23.748,48.75 24.998,50 DS25.11@27.498,50 29.998,50 31.248,48.75 36.248,48.75 37.498,50 DS18.11@39.998,50 42.498,50 43.748,48.75 48.748,48.75 49.998,50 DS26.11@52.498,50 54.998,50 56.248,48.75 61.248,48.75 62.498,50 DS19.11@64.998,50 67.498,50 68.748,48.75 73.748,48.75 74.998,50 DS27.11@77.498,50 79.998,50 81.248,48.75 86.248,48.75 87.498,50 DS20.11@89.998,50 92.498,50 93.748,48.75 98.748,48.75 99.998,50 DS28.11@102.498,50 104.998,50 106.248,48.75 111.248,48.75 112.498,50 DS21.11@114.998,50 117.498,50 118.748,48.75 123.748,48.75 124.998,50 DS29.11@127.498,50 129.998,50 131.248,48.75 136.248,48.75 137.498,50 DS22.11@139.998,50 142.498,50 143.748,48.75 148.748,48.75 149.998,50 DS30.11@152.498,50 154.998,50 156.248,48.75 161.248,48.75 162.498,50 DS23.11@164.998,50 167.498,50 168.748,48.75 173.748,48.75 174.998,50 DS31.11@177.498,50 179.998,50 181.248,48.75 186.248,48.75 187.498,50 DS24.11@189.998,50 192.498,50 193.748,48.75 198.748,48.75 199.998,50 DS32.11@202.498,50 207.498,50 DR5.5@209.998,52.5 ; DS33.11@14.998,77.5 17.498,77.5 18.748,76.25 23.748,76.25 24.998,77.5 DS41.11@27.498,77.5 29.998,77.5 31.248,76.25 36.248,76.25 37.498,77.5 DS34.11@39.998,77.5 42.498,77.5 43.748,76.25 48.748,76.25 49.998,77.5 DS42.11@52.498,77.5 54.998,77.5 56.248,76.25 61.248,76.25 62.498,77.5 DS35.11@64.998,77.5 67.498,77.5 68.748,76.25 72.498,76.25 73.748,77.5 DS43.11@77.498,77.5 79.998,77.5 81.248,76.25 86.248,76.25 87.498,77.5 DS36.11@89.998,77.5 92.498,77.5 93.748,76.25 98.748,76.25 99.998,77.5 DS44.11@102.498,77.5 104.998,77.5 106.248,76.25 111.248,76.25 112.498,77.5 DS37.11@114.998,77.5 117.498,77.5 118.748,76.25 123.748,76.25 124.998,77.5 DS45.11@127.498,77.5 129.998,77.5 131.248,76.25 136.248,76.25 137.498,77.5 DS38.11@139.998,77.5 142.498,77.5 143.748,76.25 148.748,76.25 149.998,77.5 DS46.11@152.498,77.5 154.998,77.5 156.248,76.25 161.248,76.25 162.498,77.5 DS39.11@164.998,77.5 167.498,77.5 168.748,76.25 173.748,76.25 174.998,77.5 DS47.11@177.498,77.5 179.998,77.5 181.248,76.25 186.248,76.25 187.498,77.5 DS40.11@189.998,77.5 192.498,77.5 193.748,76.25 199.998,76.25 201.248,77.5 DS48.11@202.498,77.5 ; DS49.11@14.998,105 17.498,105 18.748,103.75 22.498,103.75 23.748,105 DS57.11@27.498,105 29.998,105 31.248,103.75 34.998,103.75 36.248,105 42.498,105 43.748,103.75 47.498,103.75 48.748,105 DS58.11@52.498,105 54.998,105 56.248,103.75 59.998,103.75 61.248,105 DS51.11@64.998,105 67.498,105 68.748,103.75 72.498,103.75 73.748,105 DS59.11@77.498,105 79.998,105 81.248,103.75 84.998,103.75 86.248,105 DS52.11@89.998,105 92.498,105 93.748,103.75 97.498,103.75 98.748,105 DS60.11@102.498,105 104.998,105 106.248,103.75 109.998,103.75 111.248,105 DS53.11@114.998,105 117.498,105 118.748,103.75 122.498,103.75 123.748,105 DS61.11@127.498,105 129.998,105 131.248,103.75 134.998,103.75 136.248,105 DS54.11@139.998,105 142.498,105 143.748,103.75 147.498,103.75 148.748,105 DS62.11@152.498,105 154.998,105 156.248,103.75 159.998,103.75 161.248,105 DS55.11@164.998,105 167.498,105 168.748,103.75 172.498,103.75 173.748,105 DS63.11@177.498,105 179.998,105 181.248,103.75 184.998,103.75 186.248,105 DS56.11@189.998,105 192.498,105 193.748,103.75 198.748,103.75 199.998,105 DS64.11@202.498,105
  Bottom w0.254: DS14.11@152.498,22.5 149.998,25 149.998,47.5 DS30.11@152.498,50 149.998,52.5 149.998,75 DS46.11@152.498,77.5 151.248,78.75 151.248,103.75 DS62.11@152.498,105
RA5: DR5.7 DS1.10 DS2.10 DS3.10 DS4.10 DS5.10 DS6.10 DS7.10 DS8.10 DS9.10 DS10.10 DS11.10 DS12.10 DS13.10 DS14.10 DS15.10 DS16.10 DS17.10 DS18.10 DS19.10 DS20.10 DS21.10 DS22.10 DS23.10 DS24.10 DS25.10 DS26.10 DS27.10 DS28.10 DS29.10 DS30.10 DS31.10 DS32.10 DS33.10 DS34.10 DS35.10 DS36.10 DS37.10 DS38.10 DS39.10 DS40.10 DS41.10 DS42.10 DS43.10 DS44.10 DS45.10 DS46.10 DS47.10 DS48.10 DS49.10 DS50.10 DS51.10 DS52.10 DS53.10 DS54.10 DS55.10 DS56.10 DS57.10 DS58.10 DS59.10 DS60.10 DS61.10 DS62.10 DS63.10 DS64.10 | length 905.2
  Top w0.254: DS1.10@14.998,20 16.248,18.75 26.248,18.75 DS9.10@27.498,20 28.748,18.75 38.748,18.75 DS2.10@39.998,20 41.248,18.75 47.498,18.75 48.748,20 DS10.10@52.498,20 53.748,18.75 63.748,18.75 DS3.10@64.998,20 66.248,18.75 76.248,18.75 DS11.10@77.498,20 78.748,18.75 88.748,18.75 DS4.10@89.998,20 91.248,18.75 101.248,18.75 DS12.10@102.498,20 103.748,18.75 113.748,18.75 DS5.10@114.998,20 116.248,18.75 126.248,18.75 DS13.10@127.498,20 128.748,18.75 138.748,18.75 DS6.10@139.998,20 141.248,18.75 151.248,18.75 DS14.10@152.498,20 153.748,18.75 163.748,18.75 DS7.10@164.998,20 166.248,18.75 176.248,18.75 DS15.10@177.498,20 178.748,18.75 188.748,18.75 DS8.10@189.998,20 191.248,18.75 201.248,18.75 DS16.10@202.498,20 ; DS17.10@14.998,47.5 16.248,46.25 26.248,46.25 DS25.10@27.498,47.5 28.748,46.25 38.748,46.25 DS18.10@39.998,47.5 41.248,46.25 51.248,46.25 DS26.10@52.498,47.5 53.748,46.25 63.748,46.25 DS19.10@64.998,47.5 66.248,46.25 76.248,46.25 DS27.10@77.498,47.5 78.748,46.25 88.748,46.25 DS20.10@89.998,47.5 91.248,46.25 101.248,46.25 DS28.10@102.498,47.5 103.748,46.25 113.748,46.25 DS21.10@114.998,47.5 116.248,46.25 126.248,46.25 DS29.10@127.498,47.5 128.748,46.25 138.748,46.25 DS22.10@139.998,47.5 141.248,46.25 151.248,46.25 DS30.10@152.498,47.5 153.748,46.25 163.748,46.25 DS23.10@164.998,47.5 166.248,46.25 176.248,46.25 DS31.10@177.498,47.5 178.748,46.25 188.748,46.25 DS24.10@189.998,47.5 191.248,46.25 201.248,46.25 DS32.10@202.498,47.5 DR5.7@209.998,47.5 ; DS33.10@14.998,75 16.248,73.75 26.248,73.75 DS41.10@27.498,75 28.748,73.75 38.748,73.75 DS34.10@39.998,75 41.248,73.75 51.248,73.75 DS42.10@52.498,75 53.748,73.75 63.748,73.75 DS35.10@64.998,75 66.248,73.75 72.498,73.75 73.748,75 DS43.10@77.498,75 78.748,73.75 88.748,73.75 DS36.10@89.998,75 91.248,73.75 101.248,73.75 DS44.10@102.498,75 103.748,73.75 113.748,73.75 DS37.10@114.998,75 116.248,73.75 126.248,73.75 DS45.10@127.498,75 128.748,73.75 138.748,73.75 DS38.10@139.998,75 141.248,73.75 151.248,73.75 DS46.10@152.498,75 153.748,73.75 163.748,73.75 DS39.10@164.998,75 166.248,73.75 176.248,73.75 DS47.10@177.498,75 178.748,73.75 188.748,73.75 DS40.10@189.998,75 191.248,73.75 201.248,73.75 DS48.10@202.498,75 ; DS49.10@14.998,102.5 16.248,101.25 26.248,101.25 DS57.10@27.498,102.5 28.748,101.25 38.748,101.25 DS50.10@39.998,102.5 41.248,101.25 51.248,101.25 DS58.10@52.498,102.5 53.748,101.25 63.748,101.25 DS51.10@64.998,102.5 66.248,101.25 76.248,101.25 DS59.10@77.498,102.5 78.748,101.25 88.748,101.25 DS52.10@89.998,102.5 91.248,101.25 101.248,101.25 DS60.10@102.498,102.5 103.748,101.25 113.748,101.25 DS53.10@114.998,102.5 116.248,101.25 126.248,101.25 DS61.10@127.498,102.5 128.748,101.25 138.748,101.25 DS54.10@139.998,102.5 141.248,101.25 151.248,101.25 DS62.10@152.498,102.5 153.748,101.25 163.748,101.25 DS55.10@164.998,102.5 166.248,101.25 176.248,101.25 DS63.10@177.498,102.5 178.748,101.25 188.748,101.25 DS56.10@189.998,102.5 191.248,101.25 201.248,101.25 DS64.10@202.498,102.5
  Bottom w0.254: DS7.10@164.998,20 163.748,21.25 163.748,46.25 DS23.10@164.998,47.5 163.748,48.75 163.748,73.75 DS39.10@164.998,75 163.748,76.25 163.748,101.25 DS55.10@164.998,102.5